# Altium PCB Hvamp_32.PCBDOC (part 4 of 6)
Units mm, origin at the board's own origin, x right, y up, seen from the top; angles counter-clockwise.
Board outline 125.1 x 100.1 mm, 6 copper layers (L1, L2, L3, L4, P5, L6), stack 1.514 mm thick; 578 components, 364 nets, 1709 pads, 908 vias.
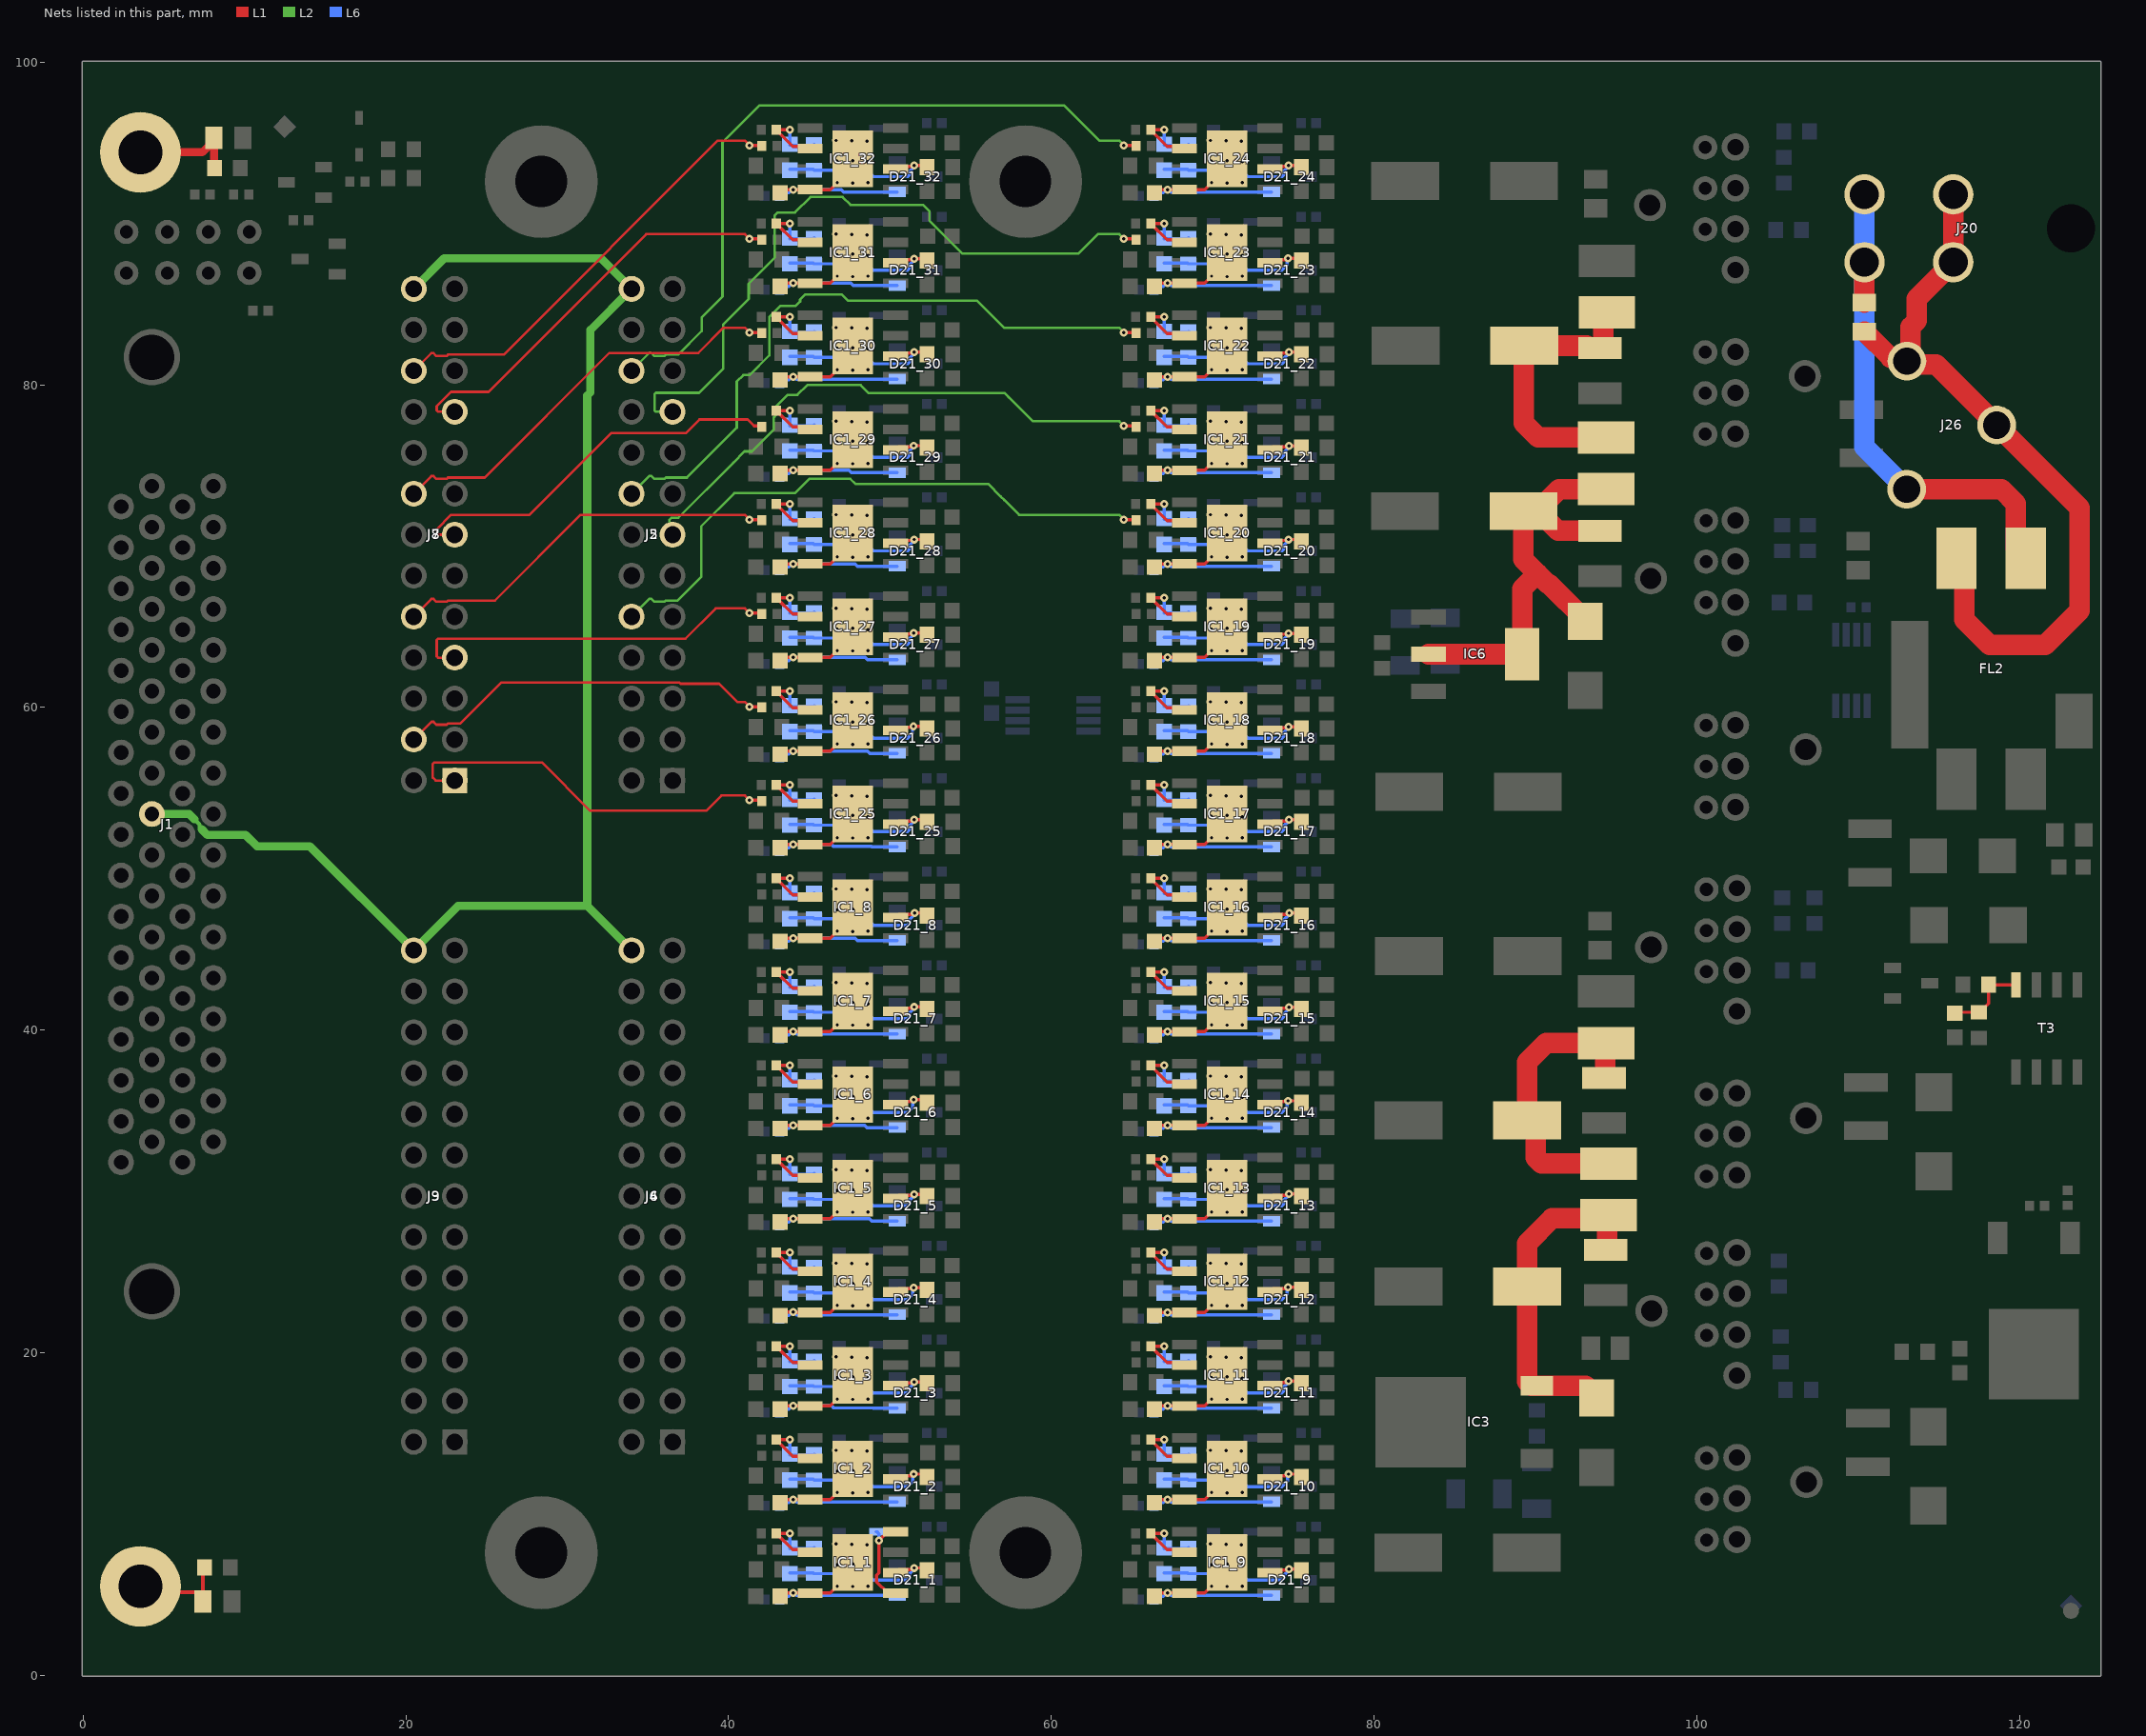
[diagram p8: the nets of this part, all layers, seen from the top]

## Via types
v1: diameter 0.5, hole 0.2, L1 to L6, tented both sides, 873 vias
v2: diameter 0.8, hole 0.5, L1 to L6, tented both sides, 35 vias

## Nets (pads, with @x,y where several pads share a name; then routed paths per layer and width w, separated by ;. In a path a pad name is that pad's centre, name@x,y a point inside that pad or via, vN(x,y) a via of type N, cw(c..) or ccw(c..) an arc to the next point about the centre after c; other vN are vias at no path point) (continued)
IN_P20: J2.10 J5.10 R4_20.1 | length 37.9
  L1 w0.203: v1(64.5,71.644) 65.216,71.644 R4_20.1@65.26,71.6
  L2 w0.152: J2.10@33.992,65.626 35.092,66.725 35.218,66.725 35.396,66.547 36.034,66.547 36.117,66.629 36.846,66.629 38.308,68.092 38.308,71.222 40.365,73.279 44.114,73.279 45.003,74.168 47.55,74.168 47.868,73.85 56.097,73.85 56.871,73.076 57.087,72.86 58.011,71.936 64.221,71.936 64.5,71.656 v1(64.5,71.644)
IN_P21: J2.13 J5.13 R4_21.1 | length 35.2
  L1 w0.203: v1(64.5,77.444) 65.216,77.444 R4_21.1@65.26,77.4
  L2 w0.152: J2.13@36.532,70.706 36.329,70.909 36.329,71.621 36.461,71.753 36.889,71.753 40.297,75.161 40.297,75.172 40.994,75.869 41.452,75.869 42.799,77.216 42.799,77.978 42.926,78.105 42.926,78.638 43.663,79.375 44.272,79.375 44.882,79.985 48.185,79.985 48.693,79.477 57.12,79.477 57.365,79.232 57.58,79.017 58.861,77.736 64.221,77.736 64.5,77.456 v1(64.5,77.444)
IN_P22: J2.16 J5.16 R4_22.1 | length 40.7
  L1 w0.203: v1(64.5,83.244) 65.216,83.244 R4_22.1@65.26,83.2
  L2 w0.152: J2.16@33.992,73.246 35.092,74.345 35.218,74.345 35.396,74.167 36.034,74.167 36.117,74.249 37.419,74.249 40.513,77.344 40.513,80.197 40.914,80.598 41.31,80.598 42.53,81.819 42.53,84.186 43.239,84.895 44.168,84.895 44.435,85.163 44.435,85.279 44.755,85.598 47.016,85.598 47.397,85.217 55.398,85.217 55.932,84.684 56.147,84.468 57.079,83.536 64.221,83.536 64.5,83.256 v1(64.5,83.244)
IN_P23: J2.19 J5.19 R4_23.1 | length 43.2
  L1 w0.203: v1(64.5,89.044) 65.216,89.044 R4_23.1@65.26,89
  L2 w0.152: J2.19@36.532,78.326 35.504,78.326 35.415,78.415 35.415,79.419 35.498,79.502 38.175,79.502 39.675,81.001 39.675,83.744 41.248,85.317 41.248,86.261 42.85,87.862 42.85,90.475 43.053,90.678 44.113,90.678 45.079,91.643 47.067,91.643 47.56,91.15 52.05,91.15 52.451,90.749 52.451,90.168 52.777,89.842 54.481,88.138 61.697,88.138 62.894,89.336 64.221,89.336 64.5,89.056 v1(64.5,89.044)
IN_P24: J2.22 J5.22 R4_24.1 | length 45.4
  L1 w0.203: v1(64.5,94.844) 65.216,94.844 R4_24.1@65.26,94.8
  L2 w0.152: J2.22@33.992,80.866 35.092,81.965 35.218,81.965 35.396,81.787 36.034,81.787 36.117,81.869 36.881,81.869 38.336,83.324 38.336,84.175 39.624,85.463 39.624,95.021 41.91,97.307 60.808,97.307 61.196,96.92 62.98,95.136 64.221,95.136 64.5,94.856 v1(64.5,94.844)
IN_P25: J7.1 J8.1 R4_25.1 | length 24.5
  L1 w0.152: J8.1@23.032,55.466 21.851,55.466 21.666,55.651 21.666,56.502 21.755,56.591 28.436,56.591 31.433,53.594 38.613,53.594 39.555,54.536 41.021,54.536 41.3,54.256 v1(41.3,54.244)
  L1 w0.203: v1(41.3,54.244) 42.016,54.244 R4_25.1@42.06,54.2
IN_P26: J7.4 J8.4 R4_26.1 | length 23.8
  L1 w0.152: J8.4@20.492,58.006 21.592,59.105 21.718,59.105 21.896,58.927 22.534,58.927 22.617,59.009 23.381,59.009 25.921,61.549 36.948,61.549 37.029,61.468 39.421,61.468 40.553,60.336 41.021,60.336 41.3,60.056 v1(41.3,60.044)
  L1 w0.203: v1(41.3,60.044) 42.016,60.044 R4_26.1@42.06,60
IN_P27: J7.7 J8.7 R4_27.1 | length 23.3
  L1 w0.152: J8.7@23.032,63.086 22.004,63.086 21.915,63.175 21.915,64.173 22.01,64.267 29.312,64.267 29.317,64.262 31.313,64.262 31.319,64.256 37.333,64.256 39.212,66.136 41.021,66.136 41.3,65.856 v1(41.3,65.844)
  L1 w0.203: v1(41.3,65.844) 42.016,65.844 R4_27.1@42.06,65.8
IN_P28: J7.10 J8.10 R4_28.1 | length 24.5
  L1 w0.152: J8.10@20.492,65.626 21.592,66.725 21.718,66.725 21.896,66.547 22.534,66.547 22.617,66.629 25.532,66.629 30.838,71.936 41.021,71.936 41.3,71.656 v1(41.3,71.644)
  L1 w0.203: v1(41.3,71.644) 42.016,71.644 R4_28.1@42.06,71.6
IN_P29: J7.13 J8.13 R4_29.1 | length 24.6
  L1 w0.152: J8.13@23.032,70.706 22.004,70.706 21.915,70.795 21.915,71.043 22.81,71.938 27.665,71.938 32.745,77.018 37.371,77.018 38.203,77.85 41.183,77.85 41.59,77.444
  L1 w0.203: 41.59,77.444 42.016,77.444 R4_29.1@42.06,77.4
IN_P30: J7.16 J8.16 R4_30.1 | length 26.1
  L1 w0.152: J8.16@20.492,73.246 21.592,74.345 21.718,74.345 21.896,74.167 22.534,74.167 22.617,74.249 24.896,74.249 32.612,81.965 38.125,81.965 39.695,83.536 41.021,83.536 41.3,83.256 v1(41.3,83.244)
  L1 w0.203: v1(41.3,83.244) 42.016,83.244 R4_30.1@42.06,83.2
IN_P31: J7.19 J8.19 R4_31.1 | length 26.1
  L1 w0.152: J8.19@23.032,78.326 22.004,78.326 21.915,78.415 21.915,78.663 22.81,79.558 25.126,79.558 34.903,89.336 41.021,89.336 41.3,89.056 v1(41.3,89.044)
  L1 w0.203: v1(41.3,89.044) 42.016,89.044 R4_31.1@42.06,89
IN_P32: J7.22 J8.22 R4_32.1 | length 27.8
  L1 w0.152: J8.22@20.492,80.866 21.592,81.965 21.718,81.965 21.896,81.787 22.534,81.787 22.617,81.869 26.066,81.869 39.332,95.136 41.021,95.136 41.3,94.856 v1(41.3,94.844)
  L1 w0.203: v1(41.3,94.844) 42.016,94.844 R4_32.1@42.06,94.8
N13V0_SCSI: J1.52 J2.26 J3.26 J4.26 J5.26 J6.26 J7.26 J8.26 J9.26 | length 90.1
  L2 w0.254: 6.889,53.067 7.214,52.743 7.214,52.577 7.346,52.445
  L2 w0.508: J1.52@4.26,53.391 6.565,53.391 6.889,53.067 ; 7.346,52.445 7.696,52.095 10.071,52.095 10.782,51.384 14.054,51.384 J9.26@20.492,44.946 23.243,47.697 31.242,47.697 ; J8.26@20.492,85.946 22.379,87.833 32.105,87.833 J2.26@33.992,85.946 31.445,83.399 31.445,79.527 31.242,79.324 31.242,47.697 ; J6.26@33.992,44.946 31.242,47.697
N_HV_CH_1: C92_1.2 D21_1.1 IC1_1.4 IC1_1.9 L18_1.2 | length 11.3
  L1 w0.203: C92_1.2@43.193,4.897 43.391,5.095 IC1_1.4@45.05,5.095 46.3,5.095 46.734,5.529 v1(46.74,5.529)
  L6 w0.203: L18_1.2@43.16,4.7 43.16,4.71 43.358,4.908 43.733,4.908 43.92,5.095 v1(44,5.095) 44.08,5.095 44.225,4.95 D21_1.1@50.45,4.95
  other v1: 47.705,5.504 48.645,5.529 48.645,6.825 46.714,6.85 47.704,6.895 48.594,8.095 47.629,8.12 46.654,8.145
N_HV_CH_2: C92_2.2 D21_2.1 IC1_2.4 IC1_2.9 L18_2.2 | length 11.3
  L1 w0.203: C92_2.2@43.193,10.697 43.391,10.895 IC1_2.4@45.05,10.895 46.3,10.895 46.734,11.329 v1(46.74,11.329)
  L6 w0.203: L18_2.2@43.16,10.5 43.16,10.51 43.358,10.708 43.733,10.708 43.92,10.895 v1(44,10.895) 44.08,10.895 44.225,10.75 D21_2.1@50.45,10.75
  other v1: 47.705,11.304 48.645,11.329 48.645,12.625 46.714,12.65 47.704,12.695 48.594,13.895 47.629,13.92 46.654,13.945
N_HV_CH_3: C92_3.2 D21_3.1 IC1_3.4 IC1_3.9 L18_3.2 | length 11.3
  L1 w0.203: C92_3.2@43.193,16.497 43.391,16.695 IC1_3.4@45.05,16.695 46.3,16.695 46.734,17.129 v1(46.74,17.129)
  L6 w0.203: L18_3.2@43.16,16.3 43.16,16.31 43.358,16.508 43.733,16.508 43.92,16.695 46.389,16.695 46.51,16.574 48.932,16.574 48.956,16.55 D21_3.1@50.45,16.55
  other v1: 44,16.695 47.705,17.104 48.645,17.129 48.645,18.425 46.714,18.45 47.704,18.495 48.594,19.695 47.629,19.72 46.654,19.745
N_HV_CH_4: C92_4.2 D21_4.1 IC1_4.4 IC1_4.9 L18_4.2 | length 11.4
  L1 w0.203: C92_4.2@43.193,22.297 43.422,22.526 v1(44,22.526) ; v1@44,22.495 IC1_4.4@45.05,22.495 46.3,22.495 46.734,22.929 v1(46.74,22.929)
  L6 w0.203: L18_4.2@43.16,22.1 43.16,22.11 43.358,22.308 43.733,22.308 43.95,22.526 v1(44,22.526) ; v1@44,22.495 44.08,22.495 44.225,22.35 D21_4.1@50.45,22.35
  other v1: 47.705,22.904 48.645,22.929 48.645,24.225 46.714,24.25 47.704,24.295 48.594,25.495 47.629,25.52 46.654,25.545
N_HV_CH_5: C92_5.2 D21_5.1 IC1_5.4 IC1_5.9 L18_5.2 | length 11.4
  L1 w0.203: C92_5.2@43.193,28.097 43.391,28.295 IC1_5.4@45.05,28.295 46.3,28.295 46.734,28.729 v1(46.74,28.729)
  L6 w0.203: L18_5.2@43.16,27.9 43.16,27.91 43.358,28.108 43.733,28.108 43.92,28.295 v1(44,28.295) 44.053,28.242 44.137,28.242 44.191,28.296 48.742,28.296 48.887,28.15 D21_5.1@50.45,28.15
  other v1: 47.705,28.704 48.645,28.729 48.645,30.025 46.714,30.05 47.704,30.095 48.594,31.295 47.629,31.32 46.654,31.345
N_HV_CH_6: C92_6.2 D21_6.1 IC1_6.4 IC1_6.9 L18_6.2 | length 11.3
  L1 w0.203: C92_6.2@43.193,33.897 43.391,34.095 IC1_6.4@45.05,34.095 46.3,34.095 46.734,34.529 v1(46.74,34.529)
  L6 w0.203: L18_6.2@43.16,33.7 43.16,33.71 43.358,33.908 43.733,33.908 43.92,34.095 48.429,34.095 48.574,33.95 D21_6.1@50.45,33.95
  other v1: 44,34.095 47.705,34.504 48.645,34.529 48.645,35.825 46.714,35.85 47.704,35.895 48.594,37.095 47.629,37.12 46.654,37.145
N_HV_CH_7: C92_7.2 D21_7.1 IC1_7.4 IC1_7.9 L18_7.2 | length 11.3
  L1 w0.203: C92_7.2@43.193,39.697 43.391,39.895 IC1_7.4@45.05,39.895 46.3,39.895 46.734,40.329 v1(46.74,40.329)
  L6 w0.203: L18_7.2@43.16,39.5 43.16,39.51 43.358,39.708 43.733,39.708 43.92,39.895 v1(44,39.895) 44.08,39.895 44.225,39.75 D21_7.1@50.45,39.75
  other v1: 47.705,40.304 48.645,40.329 48.645,41.625 46.714,41.65 47.704,41.695 48.594,42.895 47.629,42.92 46.654,42.945
N_HV_CH_8: C92_8.2 D21_8.1 IC1_8.4 IC1_8.9 L18_8.2 | length 11.3
  L1 w0.203: C92_8.2@43.193,45.497 43.391,45.695 IC1_8.4@45.05,45.695 46.3,45.695 46.734,46.129 v1(46.74,46.129)
  L6 w0.203: L18_8.2@43.16,45.3 43.16,45.31 43.358,45.508 43.733,45.508 43.92,45.695 47.852,45.695 47.997,45.55 D21_8.1@50.45,45.55
  other v1: 44,45.695 47.705,46.104 48.645,46.129 48.645,47.425 46.714,47.45 47.704,47.495 48.594,48.695 47.629,48.72 46.654,48.745
N_HV_CH_9: C92_9.2 D21_9.1 IC1_9.4 IC1_9.9 L18_9.2 | length 11.3
  L1 w0.203: C92_9.2@66.393,4.897 66.591,5.095 IC1_9.4@68.25,5.095 69.5,5.095 69.934,5.529 v1(69.94,5.529)
  L6 w0.203: L18_9.2@66.36,4.7 66.36,4.71 66.558,4.908 66.933,4.908 67.12,5.095 v1(67.2,5.095) 67.28,5.095 67.425,4.95 D21_9.1@73.65,4.95
  other v1: 70.905,5.504 71.845,5.529 71.845,6.825 69.914,6.85 70.904,6.895 71.794,8.095 70.829,8.12 69.854,8.145
N_HV_CH_10: C92_10.2 D21_10.1 IC1_10.4 IC1_10.9 L18_10.2 | length 11.3
  L1 w0.203: C92_10.2@66.393,10.697 66.591,10.895 IC1_10.4@68.25,10.895 69.5,10.895 69.934,11.329 v1(69.94,11.329)
  L6 w0.203: L18_10.2@66.36,10.5 66.36,10.51 66.558,10.708 66.933,10.708 67.12,10.895 v1(67.2,10.895) 67.28,10.895 67.425,10.75 D21_10.1@73.65,10.75
  other v1: 70.905,11.304 71.845,11.329 71.845,12.625 69.914,12.65 70.904,12.695 71.794,13.895 70.829,13.92 69.854,13.945
N_HV_CH_11: C92_11.2 D21_11.1 IC1_11.4 IC1_11.9 L18_11.2 | length 11.3
  L1 w0.203: C92_11.2@66.393,16.497 66.591,16.695 IC1_11.4@68.25,16.695 69.5,16.695 69.934,17.129 v1(69.94,17.129)
  L6 w0.203: L18_11.2@66.36,16.3 66.36,16.31 66.558,16.508 66.933,16.508 67.12,16.695 v1(67.2,16.695) 67.28,16.695 67.425,16.55 D21_11.1@73.65,16.55
  other v1: 70.905,17.104 71.845,17.129 71.845,18.425 69.914,18.45 70.904,18.495 71.794,19.695 70.829,19.72 69.854,19.745
N_HV_CH_12: C92_12.2 D21_12.1 IC1_12.4 IC1_12.9 L18_12.2 | length 11.3
  L1 w0.203: C92_12.2@66.393,22.297 66.591,22.495 IC1_12.4@68.25,22.495 69.5,22.495 69.934,22.929 v1(69.94,22.929)
  L6 w0.203: L18_12.2@66.36,22.1 66.36,22.11 66.558,22.308 66.933,22.308 67.12,22.495 v1(67.2,22.495) 67.28,22.495 67.425,22.35 D21_12.1@73.65,22.35
  other v1: 70.905,22.904 71.845,22.929 71.845,24.225 69.914,24.25 70.904,24.295 71.794,25.495 70.829,25.52 69.854,25.545
N_HV_CH_13: C92_13.2 D21_13.1 IC1_13.4 IC1_13.9 L18_13.2 | length 11.3
  L1 w0.203: C92_13.2@66.393,28.097 66.591,28.295 IC1_13.4@68.25,28.295 69.5,28.295 69.934,28.729 v1(69.94,28.729)
  L6 w0.203: L18_13.2@66.36,27.9 66.36,27.91 66.558,28.108 66.933,28.108 67.12,28.295 v1(67.2,28.295) 67.28,28.295 67.425,28.15 D21_13.1@73.65,28.15
  other v1: 70.905,28.704 71.845,28.729 71.845,30.025 69.914,30.05 70.904,30.095 71.794,31.295 70.829,31.32 69.854,31.345
N_HV_CH_14: C92_14.2 D21_14.1 IC1_14.4 IC1_14.9 L18_14.2 | length 11.3
  L1 w0.203: C92_14.2@66.393,33.897 66.591,34.095 IC1_14.4@68.25,34.095 69.5,34.095 69.934,34.529 v1(69.94,34.529)
  L6 w0.203: L18_14.2@66.36,33.7 66.36,33.71 66.558,33.908 66.933,33.908 67.12,34.095 v1(67.2,34.095) 67.28,34.095 67.425,33.95 D21_14.1@73.65,33.95
  other v1: 70.905,34.504 71.845,34.529 71.845,35.825 69.914,35.85 70.904,35.895 71.794,37.095 70.829,37.12 69.854,37.145
N_HV_CH_15: C92_15.2 D21_15.1 IC1_15.4 IC1_15.9 L18_15.2 | length 11.3
  L1 w0.203: C92_15.2@66.393,39.697 66.591,39.895 IC1_15.4@68.25,39.895 69.5,39.895 69.934,40.329 v1(69.94,40.329)
  L6 w0.203: L18_15.2@66.36,39.5 66.36,39.51 66.558,39.708 66.933,39.708 67.12,39.895 v1(67.2,39.895) 67.28,39.895 67.425,39.75 D21_15.1@73.65,39.75
  other v1: 70.905,40.304 71.845,40.329 71.845,41.625 69.914,41.65 70.904,41.695 71.794,42.895 70.829,42.92 69.854,42.945
N_HV_CH_16: C92_16.2 D21_16.1 IC1_16.4 IC1_16.9 L18_16.2 | length 11.3
  L1 w0.203: C92_16.2@66.393,45.497 66.591,45.695 IC1_16.4@68.25,45.695 69.5,45.695 69.934,46.129 v1(69.94,46.129)
  L6 w0.203: L18_16.2@66.36,45.3 66.36,45.31 66.558,45.508 66.933,45.508 67.12,45.695 v1(67.2,45.695) 67.28,45.695 67.425,45.55 D21_16.1@73.65,45.55
  other v1: 70.905,46.104 71.845,46.129 71.845,47.425 69.914,47.45 70.904,47.495 71.794,48.695 70.829,48.72 69.854,48.745
N_HV_CH_17: C92_17.2 D21_17.1 IC1_17.4 IC1_17.9 L18_17.2 | length 11.3
  L1 w0.203: C92_17.2@66.393,51.297 66.591,51.495 IC1_17.4@68.25,51.495 69.5,51.495 69.934,51.929 v1(69.94,51.929)
  L6 w0.203: L18_17.2@66.36,51.1 66.36,51.11 66.558,51.308 66.933,51.308 67.12,51.495 v1(67.2,51.495) 67.28,51.495 67.425,51.35 D21_17.1@73.65,51.35
  other v1: 70.905,51.904 71.845,51.929 71.845,53.225 69.914,53.25 70.904,53.295 71.794,54.495 70.829,54.52 69.854,54.545
N_HV_CH_18: C92_18.2 D21_18.1 IC1_18.4 IC1_18.9 L18_18.2 | length 11.3
  L1 w0.203: C92_18.2@66.393,57.097 66.591,57.295 IC1_18.4@68.25,57.295 69.5,57.295 69.934,57.729 v1(69.94,57.729)
  L6 w0.203: L18_18.2@66.36,56.9 66.36,56.91 66.558,57.108 66.933,57.108 67.12,57.295 v1(67.2,57.295) 67.28,57.295 67.425,57.15 D21_18.1@73.65,57.15
  other v1: 70.905,57.704 71.845,57.729 71.845,59.025 69.914,59.05 70.904,59.095 71.794,60.295 70.829,60.32 69.854,60.345
N_HV_CH_19: C92_19.2 D21_19.1 IC1_19.4 IC1_19.9 L18_19.2 | length 11.3
  L1 w0.203: C92_19.2@66.393,62.897 66.591,63.095 IC1_19.4@68.25,63.095 69.5,63.095 69.934,63.529 v1(69.94,63.529)
  L6 w0.203: L18_19.2@66.36,62.7 66.36,62.71 66.558,62.908 66.933,62.908 67.12,63.095 v1(67.2,63.095) 67.28,63.095 67.425,62.95 D21_19.1@73.65,62.95
  other v1: 70.905,63.504 71.845,63.529 71.845,64.825 69.914,64.85 70.904,64.895 71.794,66.095 70.829,66.12 69.854,66.145
N_HV_CH_20: C92_20.2 D21_20.1 IC1_20.4 IC1_20.9 L18_20.2 | length 11.3
  L1 w0.203: C92_20.2@66.393,68.697 66.591,68.895 IC1_20.4@68.25,68.895 69.5,68.895 69.934,69.329 v1(69.94,69.329)
  L6 w0.203: L18_20.2@66.36,68.5 66.36,68.51 66.558,68.708 66.933,68.708 67.12,68.895 v1(67.2,68.895) 67.28,68.895 67.425,68.75 D21_20.1@73.65,68.75
  other v1: 70.905,69.304 71.845,69.329 71.845,70.625 69.914,70.65 70.904,70.695 71.794,71.895 70.829,71.92 69.854,71.945
N_HV_CH_21: C92_21.2 D21_21.1 IC1_21.4 IC1_21.9 L18_21.2 | length 11.3
  L1 w0.203: C92_21.2@66.393,74.497 66.591,74.695 IC1_21.4@68.25,74.695 69.5,74.695 69.934,75.129 v1(69.94,75.129)
  L6 w0.203: L18_21.2@66.36,74.3 66.36,74.31 66.558,74.508 66.933,74.508 67.12,74.695 v1(67.2,74.695) 67.28,74.695 67.425,74.55 D21_21.1@73.65,74.55
  other v1: 70.905,75.104 71.845,75.129 71.845,76.425 69.914,76.45 70.904,76.495 71.794,77.695 70.829,77.72 69.854,77.745
N_HV_CH_22: C92_22.2 D21_22.1 IC1_22.4 IC1_22.9 L18_22.2 | length 11.3
  L1 w0.203: C92_22.2@66.393,80.297 66.591,80.495 IC1_22.4@68.25,80.495 69.5,80.495 69.934,80.929 v1(69.94,80.929)
  L6 w0.203: L18_22.2@66.36,80.1 66.36,80.11 66.558,80.308 66.933,80.308 67.12,80.495 v1(67.2,80.495) 67.28,80.495 67.425,80.35 D21_22.1@73.65,80.35
  other v1: 70.905,80.904 71.845,80.929 71.845,82.225 69.914,82.25 70.904,82.295 71.794,83.495 70.829,83.52 69.854,83.545
N_HV_CH_23: C92_23.2 D21_23.1 IC1_23.4 IC1_23.9 L18_23.2 | length 11.3
  L1 w0.203: C92_23.2@66.393,86.097 66.591,86.295 IC1_23.4@68.25,86.295 69.5,86.295 69.934,86.729 v1(69.94,86.729)
  L6 w0.203: L18_23.2@66.36,85.9 66.36,85.91 66.558,86.108 66.933,86.108 67.12,86.295 v1(67.2,86.295) 67.28,86.295 67.425,86.15 D21_23.1@73.65,86.15
  other v1: 70.905,86.704 71.845,86.729 71.845,88.025 69.914,88.05 70.904,88.095 71.794,89.295 70.829,89.32 69.854,89.345
N_HV_CH_24: C92_24.2 D21_24.1 IC1_24.4 IC1_24.9 L18_24.2 | length 11.3
  L1 w0.203: C92_24.2@66.393,91.897 66.591,92.095 IC1_24.4@68.25,92.095 69.5,92.095 69.934,92.529 v1(69.94,92.529)
  L6 w0.203: L18_24.2@66.36,91.7 66.36,91.71 66.558,91.908 66.933,91.908 67.12,92.095 v1(67.2,92.095) 67.28,92.095 67.425,91.95 D21_24.1@73.65,91.95
  other v1: 70.905,92.504 71.845,92.529 71.845,93.825 69.914,93.85 70.904,93.895 71.794,95.095 70.829,95.12 69.854,95.145